# Altium PCB PCB_3U_DDS.PcbDoc (part 10 of 12) (continued)
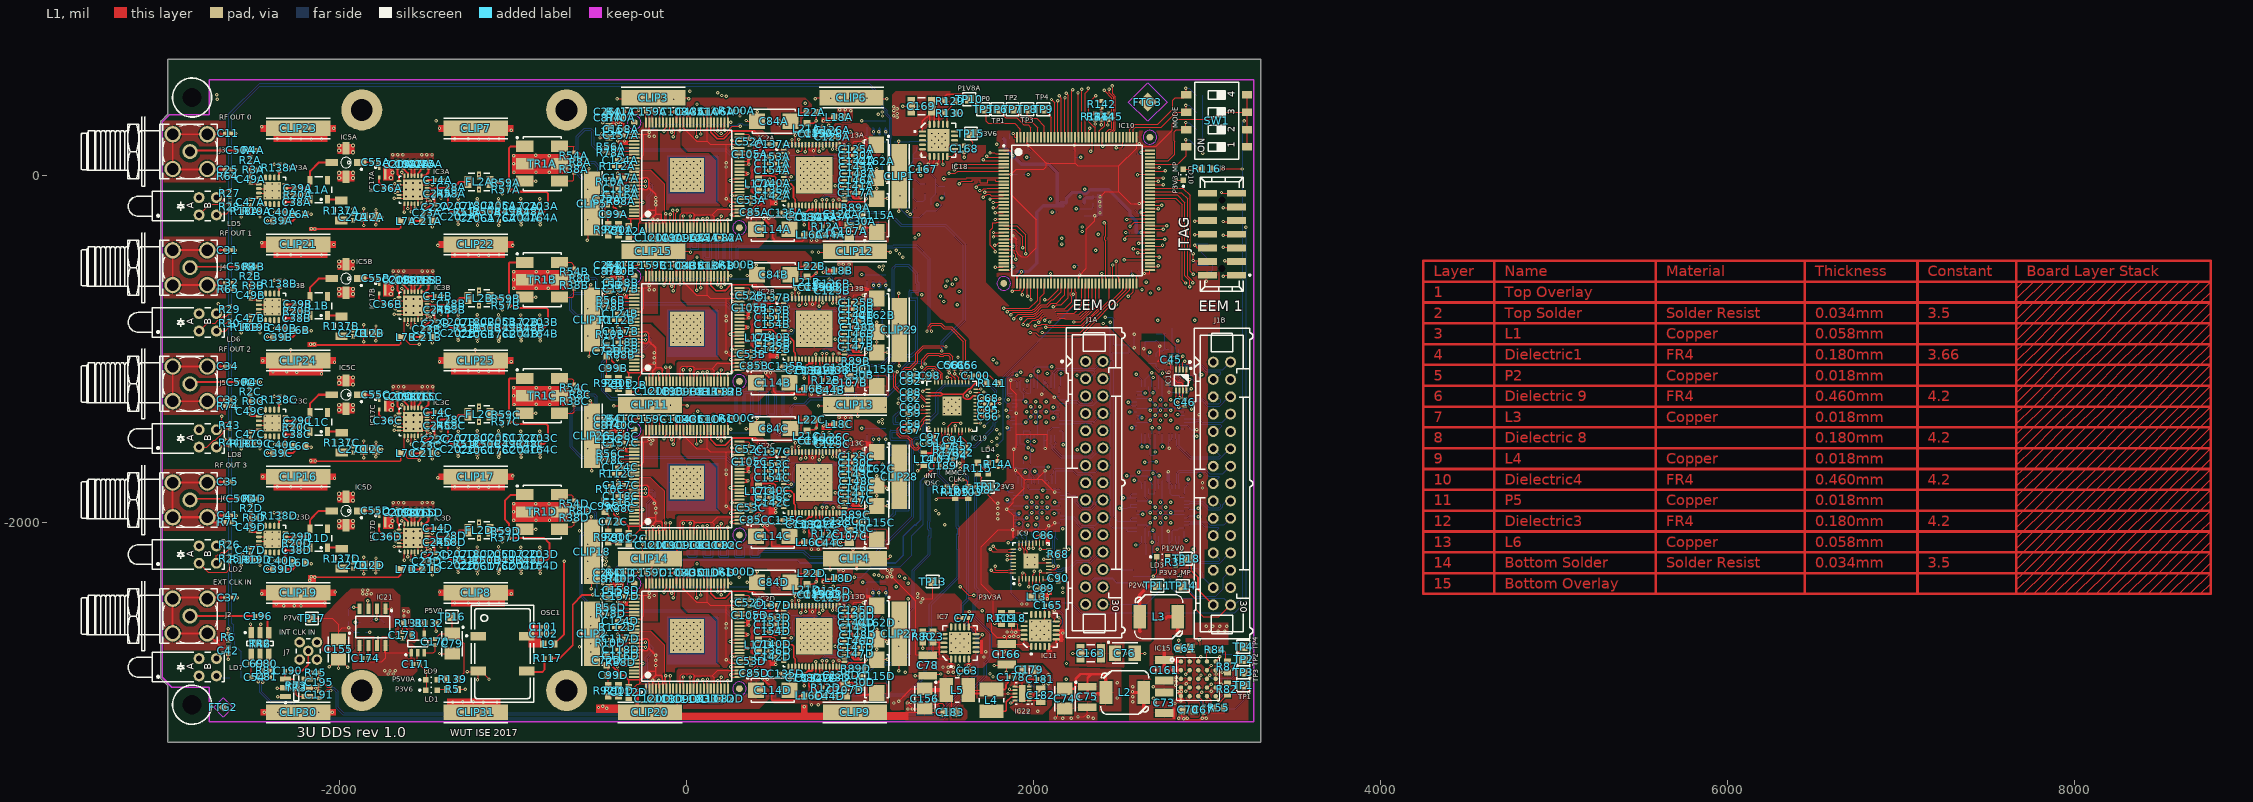
[diagram p0: L1 view]
## Nets (pads, with @x,y where several pads share a name; then routed paths per layer and width w, separated by ;. In a path a pad name is that pad's centre, name@x,y a point inside that pad or via, vN(x,y) a via of type N, cw(c..) or ccw(c..) an arc to the next point about the centre after c; other vN are vias at no path point) (continued)
  other v1: -206.69,-1547.35 -196.85,-1527.66 898.51,-1517.82 -394.69,-1473.53
P3V3_DAC_VDDD: C124D.2 C125D.2 C126D.2 C129D.2 C130D.2 C157D.2 C158D.2 C159D.2 C162D.1 IC2D.74 IC2D.75 IC2D.76 IC2D.77 IC2D.83 IC13D.46 IC13D.47 IC13D.49 L15D.1 R96D.2 R97D.2 R98D.2 R99D.2 | length 2872.6
  L1 w5: L15D.1@-448.82,-2376.09 -437.42,-2364.69 -432.09,-2359.35 -401.57,-2359.35 -377.23,-2359.35 -375,-2359.35 -373.45,-2360.91 -362.7,-2371.65 -362.2,-2371.65 -362.2,-2387.79 C158D.2@-362.2,-2391.73 C157D.2@-362.2,-2427.17 ; C124D.2@-367.32,-2570.97 -355.41,-2559.06 IC2D.83@-303.15,-2559.06 -265.75,-2559.06 -247.05,-2540.35 -247.05,-2424.21 -244.09,-2421.26 ; IC2D.77@-303.15,-2440.94 -346.56,-2440.94 -360.34,-2427.17 C157D.2@-362.2,-2427.17 ; IC2D.75@-236.22,-2354.33 -236.22,-2293.31 C159D.2@-235.24,-2292.32 -235.24,-2296.36 -216.54,-2315.06 IC2D.74@-216.54,-2354.33 v1(-216.54,-2409.55) -228.24,-2421.26 -244.09,-2421.26 ; C126D.2@855.91,-2397.64 C129D.2@855.91,-2437.11 864.76,-2445.97 877.95,-2445.97 ; IC13D.49@881.5,-2482.28 879.92,-2480.71 879.92,-2447.94 877.95,-2445.97 ; IC13D.46@909.06,-2549.21 934.15,-2549.21 935.04,-2548.32 935.04,-2543.41 C130D.2@958.27,-2543.41 940.55,-2525.69 ; IC13D.47@909.06,-2529.53 936.72,-2529.53 940.55,-2525.69 ; C157D.2@-362.2,-2427.17 -356.3,-2421.26 IC2D.76@-303.15,-2421.26 -244.09,-2421.26 ; 877.95,-2445.97 v1(898.11,-2425.81) 950.45,-2425.81 957.85,-2418.41 1031.3,-2418.41 C162D.1@1095.28,-2482.39 1034.76,-2482.39 1016.26,-2463.88 1014.86,-2462.48 964.27,-2462.48 958.27,-2468.48 C125D.2@958.27,-2507.98 940.55,-2525.69
  L1 w19.68: L15D.1@-437.42,-2364.69 -401.57,-2364.69 v1(-377.23,-2364.69) -370.26,-2371.65 ; C158D.2@-364.13,-2387.79 -362.2,-2387.79 -354.13,-2387.79 C158D.2@-351.13,-2390.79
  L6 w5: v1(-216.54,-2409.55) -180.22,-2373.24 513.7,-2373.24 526.27,-2385.81 541.45,-2385.81 554.02,-2373.24 742.4,-2373.24 772.8,-2403.65 875.95,-2403.65 v1(898.11,-2425.81) ; v1(1015.86,-2464.28) 1039.87,-2464.28 1075.87,-2464.28 1110.87,-2464.28 R98D.2@1146.65,-2464.28
  other v1: -216.54,-2433.17 -187.01,-2423.33 913.39,-2410.54 -401.57,-2364.28
P3V3_DRVA: C85A.2 C105A.2 C106A.2 C108A.2 C109A.2 C110A.2 C111A.2 C114A.1 C137A.2 C141A.2 C142A.2 IC2A.11 IC2A.15 IC2A.21 IC2A.28 IC2A.45 IC2A.56 IC2A.66 IC13A.1 IC13A.14 IC13A.37 L18A.1 | length 3417.7
  L1 w5: v1(-97.14,364) v1(-97.14,364) C108A.2@-67.91,364.07 ; C109A.2@-23.62,-363.19 -34.45,-352.36 -34.45,-344.46 -39.37,-339.54 IC2A.11@-39.37,-303.15 -39.37,-228.4 -27.48,-216.51 35.31,-216.51 43.75,-224.96 43.75,-234.35 ; C110A.2@47.24,-363.19 40.35,-356.3 40.35,-304.13 IC2A.15@39.37,-303.15 43.75,-298.77 43.75,-234.35 ; v1(152.86,386) 153.54,385.31 C106A.2@153.54,364.07 ; C111A.2@153.54,-362.2 157.48,-358.27 IC2A.21@157.48,-303.15 157.48,-241.24 145.54,-229.31 ; IC2A.45@303.15,137.8 C105A.2@361.22,137.8 383.96,137.8 387.8,141.63 410.43,141.63 ; 371.14,-194.06 371.14,-193.92 376.94,-193.92 399.95,-170.91 415.99,-170.91 420.84,-175.76 421.1,-175.76 438.98,-157.88 438.98,-141.83 ; 391.73,253.83 421.26,224.31 421.26,152.46 ; C114A.1@399.4,-311 371.14,-282.74 C85A.2@371.14,-214 349.09,-214 342.34,-207.26 346.87,-202.72 346.87,-196.85 IC2A.28@303.15,-196.85 302.53,-197.47 184.27,-197.47 183.65,-196.85 178,-196.85 145.54,-229.31 ; C137A.2@511.81,178.05 511.81,153.44 ; IC13A.1@558.66,147.64 515.65,147.64 511.81,151.47 511.81,153.44 ; v1(593.86,-77) 593.86,-98 583.75,-108.1 583.75,-108.27 IC13A.14@558.66,-108.27 515.25,-108.27 511.57,-111.94 C142A.2@511.57,-118 511.57,-141.68 v1(511.42,-141.83) 438.98,-141.83 ; 883.96,-68.9 IC13A.37@909.06,-68.9 954.43,-68.9 C141A.2@958.27,-65.06 ; 43.75,-234.35 48.8,-229.31 145.54,-229.31 ; 410.43,141.63 421.26,152.46 ; 410.43,141.63 410.43,56.57 377.86,24 377.86,-96.88 390.98,-110 407.14,-110 416.53,-119.39 416.53,-124.59 433.77,-141.83 438.98,-141.83 ; 421.26,152.46 427.17,146.55 504.92,146.55 511.81,153.44
  L1 w8: v1(808.21,313.3) 818.83,313.3 821.41,310.73 824.09,310.73 L18A.1@848.36,335 ; v1(877.86,-60) 881.09,-60 888.87,-67.79 901.87,-67.79 IC13A.37@902.87,-68.79
  L1 w10: v1(-97.14,364) -67.98,364 C108A.2@-67.91,364.07 -59.06,355.21 IC2A.66@-59.06,303.15 ; C106A.2@144.1,353.44 143.5,354.03 141.32,356.21 139.87,356.21 139.33,355.67 139.33,347.72 138.03,346.42 138.27,346.19 138.27,303.62 IC2A.56@137.8,303.15 137.8,247.7 175.74,209.76 211.65,209.76 247.61,245.72 247.61,246.41 255.03,253.83 391.73,253.83
  L3 w8: v1@807.87,310.21 799.72,302.06 799.72,256.81 801.32,255.21 801.32,162.75 804.69,159.39 804.69,142.96 801.32,139.6 801.32,133.19 837.74,96.77 837.74,-19.88 v1(877.86,-60)
  L4 w16: v1(-97.14,364) -97.01,363.87 130.72,363.87 v1(152.86,386)
  other v1: 511.81,-163.49 854.87,-60.79 787.4,312.89
P3V3_DRVB: C85B.2 C105B.2 C106B.2 C108B.2 C109B.2 C110B.2 C111B.2 C114B.1 C137B.2 C141B.2 C142B.2 IC2B.11 IC2B.15 IC2B.21 IC2B.28 IC2B.45 IC2B.56 IC2B.66 IC13B.1 IC13B.14 IC13B.37 L18B.1 | length 3395.4
  L1 w5: v1(-97.14,-521.83) -97.07,-521.76 v1@-92.13,-521.76 ; C109B.2@-23.62,-1249.02 -34.45,-1238.19 -34.45,-1233.46 -39.37,-1228.54 IC2B.11@-39.37,-1188.98 -39.37,-1114.23 -27.48,-1102.34 35.31,-1102.34 43.75,-1110.79 43.75,-1120.18 ; C110B.2@47.24,-1249.02 40.35,-1242.13 40.35,-1189.96 IC2B.15@39.37,-1188.98 43.75,-1184.59 43.75,-1120.18 ; v1(152.86,-499.83) 153.54,-500.51 C106B.2@153.54,-521.76 ; C111B.2@153.54,-1248.03 157.48,-1244.09 IC2B.21@157.48,-1188.98 157.48,-1127.07 145.54,-1115.13 ; IC2B.45@303.15,-748.03 C105B.2@361.22,-748.03 383.96,-748.03 v1(387.8,-744.2) 410.43,-744.2 ; 396.2,-636.46 421.26,-661.52 421.26,-733.37 ; C114B.1@399.4,-1196.83 371.14,-1168.57 C85B.2@371.14,-1099.83 371.14,-1079.75 ; C137B.2@511.81,-707.78 511.81,-732.39 ; v1(520.67,-1027.66) v1@511.42,-1027.66 ; IC13B.1@558.66,-738.19 515.65,-738.19 511.81,-734.35 511.81,-732.39 ; v1(593.86,-962.83) 593.86,-983.83 583.75,-993.93 583.75,-994.09 IC13B.14@558.66,-994.09 515.25,-994.09 511.57,-997.77 C142B.2@511.57,-1003.83 511.57,-1027.5 v1@511.42,-1027.66 ; 883.96,-954.72 IC13B.37@909.06,-954.72 954.43,-954.72 C141B.2@958.27,-950.89 ; 43.75,-1120.18 48.8,-1115.13 145.54,-1115.13 ; 145.54,-1115.13 178,-1082.68 183.65,-1082.68 184.27,-1083.3 302.53,-1083.3 IC2B.28@303.15,-1082.68 352.75,-1082.68 349.82,-1079.75 371.14,-1079.75 ; 371.14,-1079.75 376.94,-1079.75 393.3,-1063.39 419.3,-1063.39 438.98,-1043.71 438.98,-1027.66 ; 410.43,-744.2 410.43,-829.25 377.86,-861.83 377.86,-982.71 390.98,-995.83 407.14,-995.83 416.53,-1005.22 416.53,-1010.42 433.77,-1027.66 438.98,-1027.66 ; 410.43,-744.2 421.26,-733.37 ; 421.26,-733.37 427.17,-739.28 504.92,-739.28 511.81,-732.39 ; 438.98,-1027.66 v1@511.42,-1027.66
  L1 w8: v1(808.21,-542.99) 836.51,-542.99 846.35,-552.84 L18B.1@848.36,-550.83
  L1 w10: v1@-92.13,-521.76 C108B.2@-67.91,-521.76 -59.06,-530.61 IC2B.66@-59.06,-582.68 ; C106B.2@153.54,-521.76 145.67,-529.63 145.67,-531.99 137.8,-539.87 IC2B.56@137.8,-582.68 137.8,-636.38 168.02,-666.6 207.04,-666.6 208.05,-665.58 220.35,-665.58 253.94,-631.99 399.08,-631.99 399.87,-632.79
  L3 w8: 808.21,-552.84 808.21,-578.21 797.27,-589.16 797.27,-689.53 818.06,-710.32 818.06,-759.53 847.58,-789.06 847.58,-926.14 867.27,-945.83 v1(877.86,-945.83)
  L4 w16: v1(-97.14,-521.83) -97.01,-521.96 130.72,-521.96 v1(152.86,-499.83)
  other v1: 519.87,-1048.79 854.87,-945.79 787.4,-560.14
P3V3_DRVC: C85C.2 C105C.2 C106C.2 C108C.2 C109C.2 C110C.2 C111C.2 C114C.1 C137C.2 C141C.2 C142C.2 IC2C.11 IC2C.15 IC2C.21 IC2C.28 IC2C.45 IC2C.56 IC2C.66 IC13C.1 IC13C.14 IC13C.37 L18C.1 | length 3461.1
  L1 w5: v1(-97.14,-1407.65) -97.07,-1407.58 C108C.2@-67.91,-1407.58 ; C109C.2@-23.62,-2134.84 -39.13,-2119.34 -39.13,-2103.63 -39.37,-2103.38 IC2C.11@-39.37,-2074.8 -39.37,-2000.05 -27.48,-1988.17 35.31,-1988.17 43.75,-1996.61 43.75,-2006.01 ; C110C.2@47.24,-2134.84 40.35,-2127.95 40.35,-2075.79 IC2C.15@39.37,-2074.8 43.75,-2070.42 43.75,-2006.01 ; v1(152.86,-1385.65) 153.54,-1386.34 C106C.2@153.54,-1407.58 ; C111C.2@153.54,-2133.86 157.48,-2129.92 IC2C.21@157.48,-2074.8 157.48,-2012.9 145.54,-2000.96 ; IC2C.45@303.15,-1633.86 C105C.2@361.22,-1633.86 383.96,-1633.86 v1(387.8,-1630.02) 410.43,-1630.02 ; 397.79,-1523.87 421.26,-1547.35 421.26,-1619.2 ; C114C.1@399.4,-2082.65 371.14,-2054.39 C85C.2@371.14,-1985.65 ; 438.98,-1913.49 433.77,-1913.49 416.53,-1896.24 416.53,-1891.04 407.14,-1881.65 390.98,-1881.65 377.86,-1868.53 377.86,-1747.65 410.43,-1715.08 410.43,-1630.02 ; v1(511.81,-1921.36) 477.45,-1921.36 473.87,-1917.79 ; C137C.2@511.81,-1593.61 511.81,-1618.21 ; IC13C.1@558.66,-1624.02 515.65,-1624.02 511.81,-1620.18 511.81,-1618.21 ; v1(593.86,-1848.65) 593.86,-1869.65 583.75,-1879.76 583.75,-1879.92 IC13C.14@558.66,-1879.92 515.25,-1879.92 511.57,-1883.6 C142C.2@511.57,-1889.65 511.57,-1913.33 507.12,-1917.79 473.87,-1917.79 ; v1(810.22,-1436.65) L18C.1@848.36,-1436.65 ; 883.96,-1840.55 IC13C.37@909.06,-1840.55 954.43,-1840.55 C141C.2@958.27,-1836.72 ; 43.75,-2006.01 48.8,-2000.96 145.54,-2000.96 ; 145.54,-2000.96 178,-1968.5 183.65,-1968.5 184.27,-1969.12 302.53,-1969.12 IC2C.28@303.15,-1968.5 352.75,-1968.5 353.37,-1967.88 C85C.2@371.14,-1985.65 ; C85C.2@371.14,-1985.65 371.14,-1965.57 382.09,-1965.57 404.75,-1942.91 425.6,-1942.91 438.98,-1929.54 438.98,-1917.79 473.87,-1917.79 ; 410.43,-1630.02 421.26,-1619.2 ; 421.26,-1619.2 427.17,-1625.1 504.92,-1625.1 511.81,-1618.21
  L1 w10: v1(-97.14,-1407.65) -67.98,-1407.65 C108C.2@-67.91,-1407.58 -59.06,-1416.44 IC2C.66@-59.06,-1468.5 ; C106C.2@153.54,-1407.58 153.54,-1413.79 137.8,-1429.54 IC2C.56@137.8,-1468.5 137.8,-1524.15 170.44,-1556.79 220.87,-1556.79 262.87,-1514.79 353.69,-1514.79 353.93,-1515.02 395.11,-1515.02 400.87,-1520.79
  L3 w5: v1(810.22,-1436.65) 810.22,-1447.79 840.18,-1477.75 840.18,-1596.61 821.24,-1615.54 821.24,-1630.73 847.58,-1657.07 847.58,-1812.68 866.56,-1831.65 v1(877.86,-1831.65)
  L4 w16: v1(-97.14,-1407.65) -97.01,-1407.79 130.72,-1407.79 v1(152.86,-1385.65)
  other v1: 511.81,-1943.02 855.31,-1829.83 788.19,-1445.2
P3V3_DRVD: C85D.2 C105D.2 C106D.2 C108D.2 C109D.2 C110D.2 C111D.2 C114D.1 C137D.2 C141D.2 C142D.2 IC2D.11 IC2D.15 IC2D.21 IC2D.28 IC2D.45 IC2D.56 IC2D.66 IC13D.1 IC13D.14 IC13D.37 L18D.1 | length 3361.9
  L1 w5: v1(-97.14,-2293.48) v1(-97.14,-2293.48) ; C109D.2@-23.62,-3020.67 -34.45,-3009.84 -34.45,-3003.46 -39.37,-2998.54 IC2D.11@-39.37,-2960.63 -39.37,-2885.88 -27.48,-2873.99 35.31,-2873.99 43.75,-2882.44 43.75,-2891.83 ; C110D.2@47.24,-3020.67 40.35,-3013.78 40.35,-2961.61 IC2D.15@39.37,-2960.63 43.75,-2956.25 43.75,-2891.83 ; v1(152.86,-2271.48) 153.54,-2272.17 C106D.2@153.54,-2293.41 C106D.2@153.54,-2296.12 ; C111D.2@153.54,-3019.69 157.48,-3015.75 IC2D.21@157.48,-2960.63 157.48,-2898.72 145.54,-2886.79 ; IC2D.45@303.15,-2519.69 C105D.2@361.22,-2519.69 383.96,-2519.69 387.8,-2515.85 410.43,-2515.85 ; 353.37,-2853.71 352.75,-2854.33 IC2D.28@303.15,-2854.33 302.53,-2854.95 184.27,-2854.95 183.65,-2854.33 178,-2854.33 145.54,-2886.79 ; 383.95,-2403.65 391.73,-2403.65 421.26,-2433.17 421.26,-2505.02 ; C114D.1@399.4,-2968.48 371.14,-2940.22 C85D.2@371.14,-2871.48 371.14,-2851.4 376.94,-2851.4 399.43,-2828.91 425.43,-2828.91 438.98,-2815.36 438.98,-2799.32 ; C137D.2@511.81,-2479.43 511.81,-2504.04 ; IC13D.1@558.66,-2509.84 515.65,-2509.84 511.81,-2506.01 511.81,-2504.04 ; v1(593.86,-2734.48) 593.86,-2755.48 583.75,-2765.58 583.75,-2765.75 IC13D.14@558.66,-2765.75 515.25,-2765.75 511.57,-2769.43 C142D.2@511.57,-2775.48 511.57,-2799.16 v1(511.42,-2799.32) 438.98,-2799.32 ; v1(812.35,-2334.33) 836.51,-2334.33 L18D.1@848.36,-2322.48 ; v1@882.87,-2719.79 886.55,-2723.47 886.55,-2723.79 885.36,-2724.98 883.96,-2726.38 IC13D.37@909.06,-2726.38 954.43,-2726.38 957.48,-2723.33 C141D.2@958.27,-2722.54 ; 43.75,-2891.83 48.8,-2886.79 145.54,-2886.79 ; 410.43,-2515.85 421.26,-2505.02 ; 410.43,-2515.85 410.43,-2600.91 377.86,-2633.48 377.86,-2754.36 390.98,-2767.48 407.14,-2767.48 416.53,-2776.87 416.53,-2782.07 433.77,-2799.32 438.98,-2799.32 ; 421.26,-2505.02 427.17,-2510.93 504.92,-2510.93 511.81,-2504.04
  L1 w10: v1(-97.14,-2293.48) -67.98,-2293.48 C108D.2@-67.91,-2293.41 -59.06,-2302.27 IC2D.66@-59.06,-2354.33 ; C106D.2@153.54,-2296.12 137.8,-2311.87 IC2D.56@137.8,-2354.33 137.8,-2409.97 166.07,-2438.25 207.04,-2438.25 208.05,-2437.24 220.35,-2437.24 258.8,-2398.79 351.87,-2398.79 353.93,-2400.85 383.95,-2400.85
  L3 w5: v1(812.35,-2334.33) 812.35,-2363.43 841.3,-2392.37 841.3,-2443.43 818.06,-2466.67 818.06,-2521.34 847.58,-2550.87 847.58,-2688.66 876.4,-2717.48 v1(877.86,-2717.48)
  L4 w16: v1(-97.14,-2293.48) -97.01,-2293.61 130.72,-2293.61 v1(152.86,-2271.48)
  other v1: 511.81,-2820.97 855.87,-2716.79 787.4,-2344.59
P3V3_MP: C10A.2 C10B.2 C48.2 IC8A.4 IC8B.4 IC12.8 J1A.30 J1B.30 R53.2 R116.2 R120.1 R121.2 R122.2 R143.2 TP14.1 | length 14741.2
  L1 w5: v1(1288.51,52.42) v1@1288.51,56.42 ; TP14.1@2858.27,-2368.21 2937.01,-2446.95 2937.01,-2506.01 2976.38,-2545.38 3066.93,-2545.38 J1B.30@3134.65,-2477.66 ; R116.2@3029.01,36.42 3201.51,36.42 v1(3202.51,35.42)
  L4 w5: v1(1163.51,89.42) 1168.51,84.42 1256.51,84.42 v1(1288.51,52.42) 1288.51,110.42 1310.49,132.4 1359.55,132.4 1360.53,131.42 1636.51,131.42 1707.51,60.42 1730.51,60.42 1745.51,75.42 2617.51,75.42 2862.9,320.8 2882.33,320.8 2890.71,312.42 v1(3212.51,312.42)
  L6 w5: R143.2@-2568.99,-2898.58 -2568.99,-2746.08 -2605.49,-2709.58 -2605.49,-2646.58 -2612.49,-2639.58 -2612.49,-2592.58 -2622.49,-2582.58 -2622.49,352.42 -2462.49,512.42 1055.65,512.42 1123.51,444.56 1123.51,391.1 1143.22,371.4 1143.22,350.56 1168.51,325.26 1168.51,214.29 1166.58,212.36 1166.58,92.48 v1@1165.01,90.92 ; v1(1163.51,89.42) 1163.81,89.12 v1@1166.81,89.12 ; v1(1288.51,52.42) 1295.67,59.57 1295.67,71.07 1304.9,80.3 IC12.8@1304.9,97.03 ; C48.2@1323.51,161.7 1325.51,159.7 1325.51,140.42 1304.9,119.8 IC12.8@1304.9,97.03 ; R120.1@1409.02,-171.58 1409.02,-134.57 R121.2@1436.01,-107.58 ; R121.2@1437.01,-108.58 R121.2@1436.01,-107.58 ; R53.2@1486.51,-63.08 1449.5,-63.08 R122.2@1436.01,-49.58 ; J1A.30@2398.31,-2473.3 2648.85,-2473.3 C10B.2@2735.24,-2386.91 2743.11,-2379.04 2786.56,-2379.04 ; IC8A.4@2676.18,-2274.71 2676.75,-2275.28 2727.36,-2275.28 2755.91,-2275.28 2755.91,-2293.84 2786.56,-2324.49 2786.56,-2345.57 2786.56,-2379.04 ; v1(3212.51,312.42) 3205.51,305.42 3205.51,35.42 3205.51,-2301.58 3203.51,-2303.58 3203.51,-2432.58 3158.43,-2477.66 J1B.30@3134.65,-2477.66 3094.67,-2437.68 2850.54,-2437.68 2791.9,-2379.04 2786.56,-2379.04 ; IC12.8@1304.9,97.03 1341.9,97.03 1367.51,71.42 1367.51,46.47 1436.01,-22.02 R122.2@1436.01,-49.58 ; R121.2@1436.01,-107.58 R122.2@1436.01,-49.58
P3V3A: C78.2 IC7.1 IC7.18 IC7.19 IC7.20 L9.2 L14.2 L15A.2 L15B.2 L15C.2 L15D.2 L18A.2 L18B.2 L18C.2 L18D.2 R23.2 TP13.1 | length 8590.3
  L1 w5.98: v1(-500.84,214.88) -452.34,214.88 L15A.2@-448.82,218.4 -473.09,242.67 -474.41,241.35 -474.41,240.06 -491.14,240.06 v1(-492.13,239.07) ; v1(-491.14,-2415.46) -489.17,-2417.43 -472.44,-2417.43 ; v1(-491,-2442.6) -487.48,-2439.08 L15D.2@-450.79,-2439.08 ; v1(-483.27,-1570.97) -466.54,-1570.97 L15C.2@-448.82,-1553.25 -455.14,-1546.93 v1(-481.16,-1546.93) ; v1(-482.28,-690.06) -481.3,-689.08 -472.44,-689.08 -473.09,-689.73 -473.09,-691.69 L15B.2@-448.82,-667.43 -454.46,-661.79 -481.16,-661.79 v1(-481.16,-661.1) ; -474.07,-2415.79 -472.44,-2417.43 ; L15D.2@-448.82,-2439.08 L15D.2@-450.79,-2439.08 ; v1(900.71,-2279.19) 900.71,-2311.83 L18D.2@911.35,-2322.48 ; v1(900.71,-513.47) 900.71,-540.18 L18B.2@911.35,-550.83 ; L18C.2@911.35,-1436.65 911.35,-1409.09 909.39,-1407.13 908.54,-1407.13 914.4,-1401.27 v1(914.4,-1397.24) ; L18A.2@911.35,335 911.35,362.56 909.39,364.53 912.4,367.54 v1(912.4,377.76) ; v1(1172.39,-2294.96) 1172.39,-2306.3 v1(1181.87,-2315.79) 1320.02,-2453.94 1320.02,-2764.94 1320.44,-2765.36 1340.58,-2765.36 1351.6,-2776.38 1367.19,-2776.38 1378.21,-2765.36 1378.21,-2759.95 C78.2@1412.6,-2759.95 ; v1(1329.87,-1704.41) 1334.43,-1699.85 1336.33,-1699.85 L14.2@1365.86,-1670.32 1360.58,-1665.04 v1(1329.87,-1665.04) ; v1(1359.4,-2442.6) 1361.05,-2440.94 1417.32,-2440.94 TP13.1@1417.32,-2342.52 ; IC7.20@1481.76,-2747.78 1424.76,-2747.78 C78.2@1419.29,-2753.25 ; IC7.18@1481.76,-2696.6 1478.18,-2693.02 R23.2@1419.29,-2693.02 C78.2@1419.29,-2753.25 ; IC7.1@1523.1,-2789.12 1444.94,-2789.12 1415.77,-2759.95 C78.2@1412.6,-2759.95 ; -472.44,-2417.43 L15D.2@-450.79,-2439.08 ; C78.2@1412.6,-2759.95 C78.2@1419.29,-2753.25
  L1 w10: L9.2@-763.78,-2702.86 -707.53,-2646.61 v1(-707.53,-2226.07)
  L3 w5.98: v1(-500.84,214.88) -500.84,-405.2 -500.84,-573.64 -503.84,-576.64 -503.84,-658.11 -500.84,-661.1 ; v1(-491,-2442.6) -503.84,-2429.76 -503.84,-2348.29 -500.84,-2345.3 -500.84,-2255.59 -488.19,-2242.94 -488.19,-2219.74 v1(-484.67,-2219.74) ; v1@-481.16,-2212.71 -481.16,-2196.53 -488.19,-2196.53 -504.96,-2179.77 -504.96,-1560.89 v1@-491,-1546.93 ; v1(-481.16,-1546.93) v1@-491,-1546.93 ; v1(-481.16,-661.1) -500.84,-661.1 ; v1(912.4,377.76) 912.4,372.62 899.34,359.57 899.34,264.31 902.02,261.63 902.02,246.04 899.38,243.39 902.21,240.56 902.21,224.97 899.34,222.09 899.34,58.27 900.71,56.91 900.71,-304.62 913.5,-317.42 913.5,-361.72 900.71,-374.51 v1(900.71,-513.47) 900.71,-603.52 919.53,-622.34 919.53,-637.93 916.93,-640.52 916.93,-661.95 900.71,-678.17 909.62,-687.08 909.62,-1392.46 v1(914.4,-1397.24) 914.4,-1501.94 ; -500.84,-661.11 -500.84,-1459.47 -503.84,-1462.46 -503.84,-1534.09 v1@-491,-1546.93
  L4 w5.98: v1(-484.67,-2219.74) 841.26,-2219.74 v1(900.71,-2279.19) 964.06,-2279.19 972.49,-2287.62 981.23,-2287.62 983.08,-2289.47 998.03,-2289.47 1008.31,-2279.19 v1(1156.61,-2279.19) v1(1172.39,-2294.96)
  other v1: 1505.91,-2866.24 1535.43,-2866.24 1476.38,-2836.72 1505.91,-2836.72 1535.43,-2836.72 1349.55,-2462.29 1330.71,-2434.77 1329.87,-2413.07 1155.4,-2314.24 877.11,-2275.28 1182.23,-2275.28 -448.82,-2259.94 -471.31,-2245.75 -463.13,-2225.79 -466.13,-2201.79 -487.13,-2196.79 -467.13,-2177.79 -486.13,-2170.79 944.88,-1399.71 877.4,-1396.24 935.04,-513.88 877.11,-513.47 944.88,371.94 881.4,377.76
P3V6: C63.1 C74.1 C75.2 C77.2 C160.1 C165.2 C168.2 IC7.5 IC7.6 IC7.7 IC7.8 IC7.10 IC7.11 IC11.5 IC11.6 IC11.7 IC11.8 IC11.10 IC11.11 IC18.10 IC18.11 L2.2 R5.2 TP15.1 | length 7345.3
  L1 w5.98: R5.2@-1318.7,-2964.46 -1278.61,-2964.46 v1(-1278.4,-2964.25) ; IC18.10@1501.97,108.17 1531.5,108.17 1543.31,119.98 1543.31,133.76 ; IC18.11@1543.31,149.5 1543.31,133.76 ; v1(1598.43,102.26) C168.2@1598.43,133.76 ; C63.1@1623.17,-2855.99 1628.1,-2851.07 1634.99,-2844.18 1634.99,-2836.3 v1(1625.14,-2826.46) ; v1(1627.95,-2515.85) 1625.46,-2518.34 1625.46,-2553.25 IC7.11@1625.46,-2604.08 1654.01,-2604.08 1666.8,-2616.87 IC7.10@1666.8,-2645.42 ; TP15.1@1637.8,240.06 1637.8,200.68 1647.64,190.84 1647.64,167.07 1645.79,165.22 1645.79,163.77 1618.5,136.49 1618.5,133.76 C168.2@1598.43,133.76 ; 2120.87,-2557.79 2120.87,-2570.79 2123.34,-2573.25 IC11.10@2129.4,-2573.25 ; 1543.31,133.76 C168.2@1598.43,133.76
  L1 w13.78: 2088.06,-2745.63 IC11.5@2088.06,-2716.95 2114.04,-2716.95 2114.87,-2717.79 ; 2128.3,-2690.51 2129.4,-2690.51 IC11.6@2129.4,-2675.61 2164.7,-2675.61 2165.87,-2676.79 ; IC11.7@2129.4,-2650.02 2162.11,-2650.02 2162.87,-2650.79 ; IC11.8@2129.4,-2624.43 2166.48,-2624.43 2168.52,-2624.43 2169.87,-2625.79 ; C74.1@2179.13,-2960.73 2179.19,-2960.79 2234.87,-2960.79 2237.87,-2957.79 2237.87,-2929.79 2240.87,-2926.79 2240.87,-2904.79 2269.87,-2875.79 2302.87,-2875.79 2304.87,-2877.79 2329.87,-2877.79 ; 2329.87,-2877.79 2309.87,-2897.79 2309.87,-2946.13 C75.2@2307.09,-2948.92 2311.87,-2953.71 2311.87,-2986.79 2411.44,-2986.79 L2.2@2415.94,-2982.28 2415.94,-2892.86 2400.87,-2877.79 2329.87,-2877.79
  L1 w16: 2087.87,-2755.79 2088.06,-2755.6 2088.06,-2745.63
  L3 w5.98: v1(1598.43,102.26) 1643.96,56.72 1643.96,-1193.47 1598.18,-1239.25 1598.18,-1292.26 1614.37,-1308.44 1614.37,-1567.44 1623.37,-1576.44 1623.37,-2511.26 v1(1627.95,-2515.85)
  L4 w5.98: v1(-1278.4,-2964.25) -1042.18,-2964.25 -855.17,-2777.25 -572.12,-2777.25 -482.95,-2866.42 -167.5,-2866.42 -135.72,-2834.65 225.46,-2834.65 244.17,-2815.93 438.86,-2815.93 462.6,-2839.67 545.76,-2839.67 562.87,-2856.79 894.39,-2856.79 929.87,-2821.3 1022.43,-2821.3 1031.06,-2812.66 1046.65,-2812.66 1048.95,-2814.96 1327.32,-2814.96 1336.3,-2805.98 1604.67,-2805.98 v1(1625.14,-2826.46)
  L6 w5.98: C160.1@2117.27,-2542.99 v1(2117.27,-2511.5) 2151.05,-2511.5 2168.2,-2528.64 2168.2,-2637.73 v1(2166.48,-2639.45)
  other v1: 2480.31,-3013.88 2480.31,-2925.3 1712.6,-2777.66 1850.39,-2767.82 1879.92,-2767.82 1722.44,-2748.13 1830.71,-2748.13
P5V0A: C79.1 C170.2 C173.2 IC20.5 L6A.2 L6B.2 L6C.2 L6D.2 L7A.1 L7B.1 L7C.1 L7D.1 R131.2 R139.2 TP16.1 | length 6228.4
  L1 w5: L6D.2@-2199.8,-2233.37 -2171.26,-2233.37 v1(-2164.37,-2240.26) ; L6C.2@-2199.8,-1564.08 -2171.26,-1564.08 v1(-2166.34,-1569) ; L6B.2@-2199.8,-894.78 -2167.33,-894.78 v1(-2164.37,-897.74) ; L6A.2@-2199.8,-225.49 v1(-2166.34,-225.5) ; v1(-2169.14,-975.83) -2168.14,-976.83 -2147.64,-976.83 -1871.04,-976.83 -1869.8,-978.07 -1732.39,-978.07 ; v1(-2166.14,-309.83) -2164.14,-307.83 -2145.67,-307.83 -1870.75,-307.83 -1869.8,-308.78 -1746.1,-308.78 ; v1(-2165.14,-2314.83) -2162.14,-2317.83 v1(-2144.54,-2317.83) ; C173.2@-1638.57,-2633.96 -1638.57,-2590.65 R131.2@-1630.7,-2582.78 ; v1(-1632.73,-2511.5) -1630.7,-2513.53 v1(-1630.7,-2541.03) R131.2@-1630.7,-2582.78 ; TP16.1@-1354.33,-2545.38 -1353.14,-2546.57 C79.1@-1353.14,-2643.8 ; R139.2@-1318.7,-2905.41 -1318.7,-2903.44 -1284.24,-2868.98 -1284.24,-2702.51 -1342.95,-2643.8 C79.1@-1353.14,-2643.8 ; R131.2@-1630.7,-2582.78 -1630.7,-2597.33 -1588.58,-2639.45 IC20.5@-1588.58,-2646.89 -1583.52,-2651.96 -1583.52,-2681.34 -1459.58,-2681.34 C170.2@-1451.57,-2673.33 -1422.04,-2643.8 C79.1@-1353.14,-2643.8
  L1 w10: v1(-2168.14,-1645.83) -2165.09,-1648.88 -2142.72,-1648.88 -1653.7,-1648.88 -1648.62,-1643.8 -1649.61,-1642.82 L7C.1@-1649.61,-1603.45 ; v1@-2168.14,-976.83 -2165.38,-979.59 -2147.64,-979.59 -1853.99,-979.59 -1853.83,-979.43 -1657.48,-979.43 -1649.61,-971.56 L7B.1@-1649.61,-934.16 ; v1(-2166.14,-309.83) -2165.67,-310.3 v1(-2145.67,-310.3) -1657.64,-310.3 -1649.61,-302.27 L7A.1@-1649.61,-264.87 ; v1(-2144.54,-2317.83) -2144.2,-2318.17 -1664.53,-2318.17 -1649.61,-2303.25 L7D.1@-1649.61,-2272.74
  L3 w5: v1(-2166.34,-225.5) -2166.34,-309.83 -2166.34,-897.74 -2166.34,-975.83 v1(-2166.34,-1569) -2166.34,-1645.83 -2166.34,-2238.29 v1(-2164.37,-2240.26) -2165.14,-2241.03 v1(-2165.14,-2314.83)
  other v1: -1606.87,-2516.28 -2174.07,-2334.33 -2142.72,-1647.74 -2147.64,-975.5
P7V0A: C12A.2 C12B.2 C12C.2 C12D.2 C27A.2 C27B.2 C27C.2 C27D.2 C155.1 C175.2 C177.2 IC21.1 R133.2 R137A.1 R137B.1 R137C.1 R137D.1 TP17.1 | length 1528.3
  L1 w6.69: TP17.1@-2161.42,-2555.22 -2043.31,-2555.22 -2007.87,-2590.65 -2007.87,-2630.74 ; C155.1@-2007.87,-2677.27 -2007.87,-2630.74 ; R137D.1@-2003.94,-2267.82 R137D.1@-1989.13,-2267.87 C27D.2@-1925.2,-2267.82 -1879.92,-2267.82 C12D.2@-1862.2,-2250.1 ; R137C.1@-2003.94,-1598.53 -1990.13,-1598.53 C27C.2@-1925.2,-1598.53 -1879.92,-1598.53 C12C.2@-1862.2,-1580.81 ; R137B.1@-2003.94,-929.24 -1991.13,-929.24 C27B.2@-1925.2,-929.24 -1879.92,-929.24 C12B.2@-1862.2,-911.52 ; R137A.1@-2003.94,-259.94 -1992.13,-259.94 C27A.2@-1925.2,-259.94 -1879.92,-259.94 C12A.2@-1862.2,-242.23 ; v1(-1948.82,-2608.8) -1985.93,-2608.8 -2007.87,-2630.74 ; v1(-1863.19,-2201.87) -1863.19,-2249.12 C12D.2@-1862.2,-2250.1 ; v1(-1863.19,-1532.58) -1863.19,-1579.83 C12C.2@-1862.2,-1580.81 ; v1(-1863.19,-863.29) -1863.19,-910.54 C12B.2@-1862.2,-911.52 ; v1(-1863.19,-194) -1863.19,-241.24 C12A.2@-1862.2,-242.23 ; v1(-1862.2,-2298.33) C12D.2@-1862.2,-2250.1 ; v1(-1862.2,-1629.04) C12C.2@-1862.2,-1580.81 ; v1(-1862.2,-959.75) C12B.2@-1862.2,-911.52 ; v1(-1862.2,-290.46) C12A.2@-1862.2,-242.23 ; IC21.1@-1736.02,-2498.69 -1705.73,-2498.69 v1(-1702.76,-2501.66)
  L6 w6.69: C175.2@-1948.82,-2574.91 v1(-1948.82,-2608.8) -1921.69,-2635.93 C177.2@-1887.8,-2635.93 ; v1@-1697.64,-2506.77 -1697.64,-2564.28 R133.2@-1681.1,-2580.81
  other v1: -1846.13,-2415.79 -1868.95,-2413.07 -1819.74,-2413.07 -1839.42,-2393.39 -1869.13,-2391.79
P7V5: C178.2 C179.2 IC22.8 IC22.10 L4.2 L5.1 R134.2 | length 981.3
  L1 w5.98: L5.1@1622.05,-2968.61 1751.97,-2968.61 L4.2@1755.91,-2964.67 1779.53,-2988.29 v1(1851.52,-2988.29) IC22.8@1891.73,-2988.29
  L1 w10: L5.1@1622.05,-2968.61 1641.73,-2988.29 1755.91,-2988.29 L4.2@1779.53,-2988.29 ; L4.2@1755.91,-2964.67 1832.74,-2964.67 1840.03,-2957.38 1840.03,-2937.63 1853.49,-2924.17 C178.2@1853.49,-2895.36 1853.49,-2890.85 1878.51,-2865.83 1921.67,-2865.83 C179.2@1937.01,-2850.5 ; v1(1868.11,-3042.99) 1876.4,-3042.99 IC22.10@1891.73,-3027.66
  L3 w10: v1(1851.52,-2988.29) 1851.52,-3026.41 v1(1868.11,-3042.99)
  L6 w10: v1(1868.11,-3042.99) 1883.44,-3027.66 R134.2@2045.28,-3027.66
P7V5A: C156.1 C171.2 C174.2 C183.2 IC20.1 IC21.5 IC21.8 L5.2 | length 1074.8
  L1 w5.98: C174.2@-1869.1,-2783.57 -1869.1,-2803.65 -1867.77,-2803.65 -1867.38,-2803.25 -1851.09,-2803.25 -1848.43,-2805.91 -1759.82,-2805.91 -1736.02,-2782.11 -1736.02,-2753.19 ; C171.2@-1577.55,-2819 -1588.58,-2807.97 IC20.1@-1588.58,-2753.19 -1736.02,-2753.19 ; v1(1221.6,-3033.15) 1294.02,-2960.73 C156.1@1372.05,-2960.73 1379.92,-2968.61 L5.2@1496.06,-2968.61 1526.72,-2999.26 1526.72,-3063.63 1555.12,-3092.03 C183.2@1555.12,-3096.56 ; -1736.02,-2753.19 IC21.8@-1736.02,-2711.28 -1740.43,-2715.69 -1740.43,-2753.19 -1736.02,-2753.19
  L1 w6: IC21.5@-1886.02,-2711.28 -1886.02,-2764.94 -1886.88,-2765.79 C174.2@-1869.1,-2783.57
  L3 w5.98: v1(1192.07,-3042.99) 1211.76,-3042.99 v1(1221.6,-3033.15)
  other v1: -1721.31,-2875.67 -1691.79,-2875.67 -1741,-2855.99 -1711.47,-2855.99 -1681.94,-2855.99